# KiCad board IMXDesign.kicad_pcb (continued)
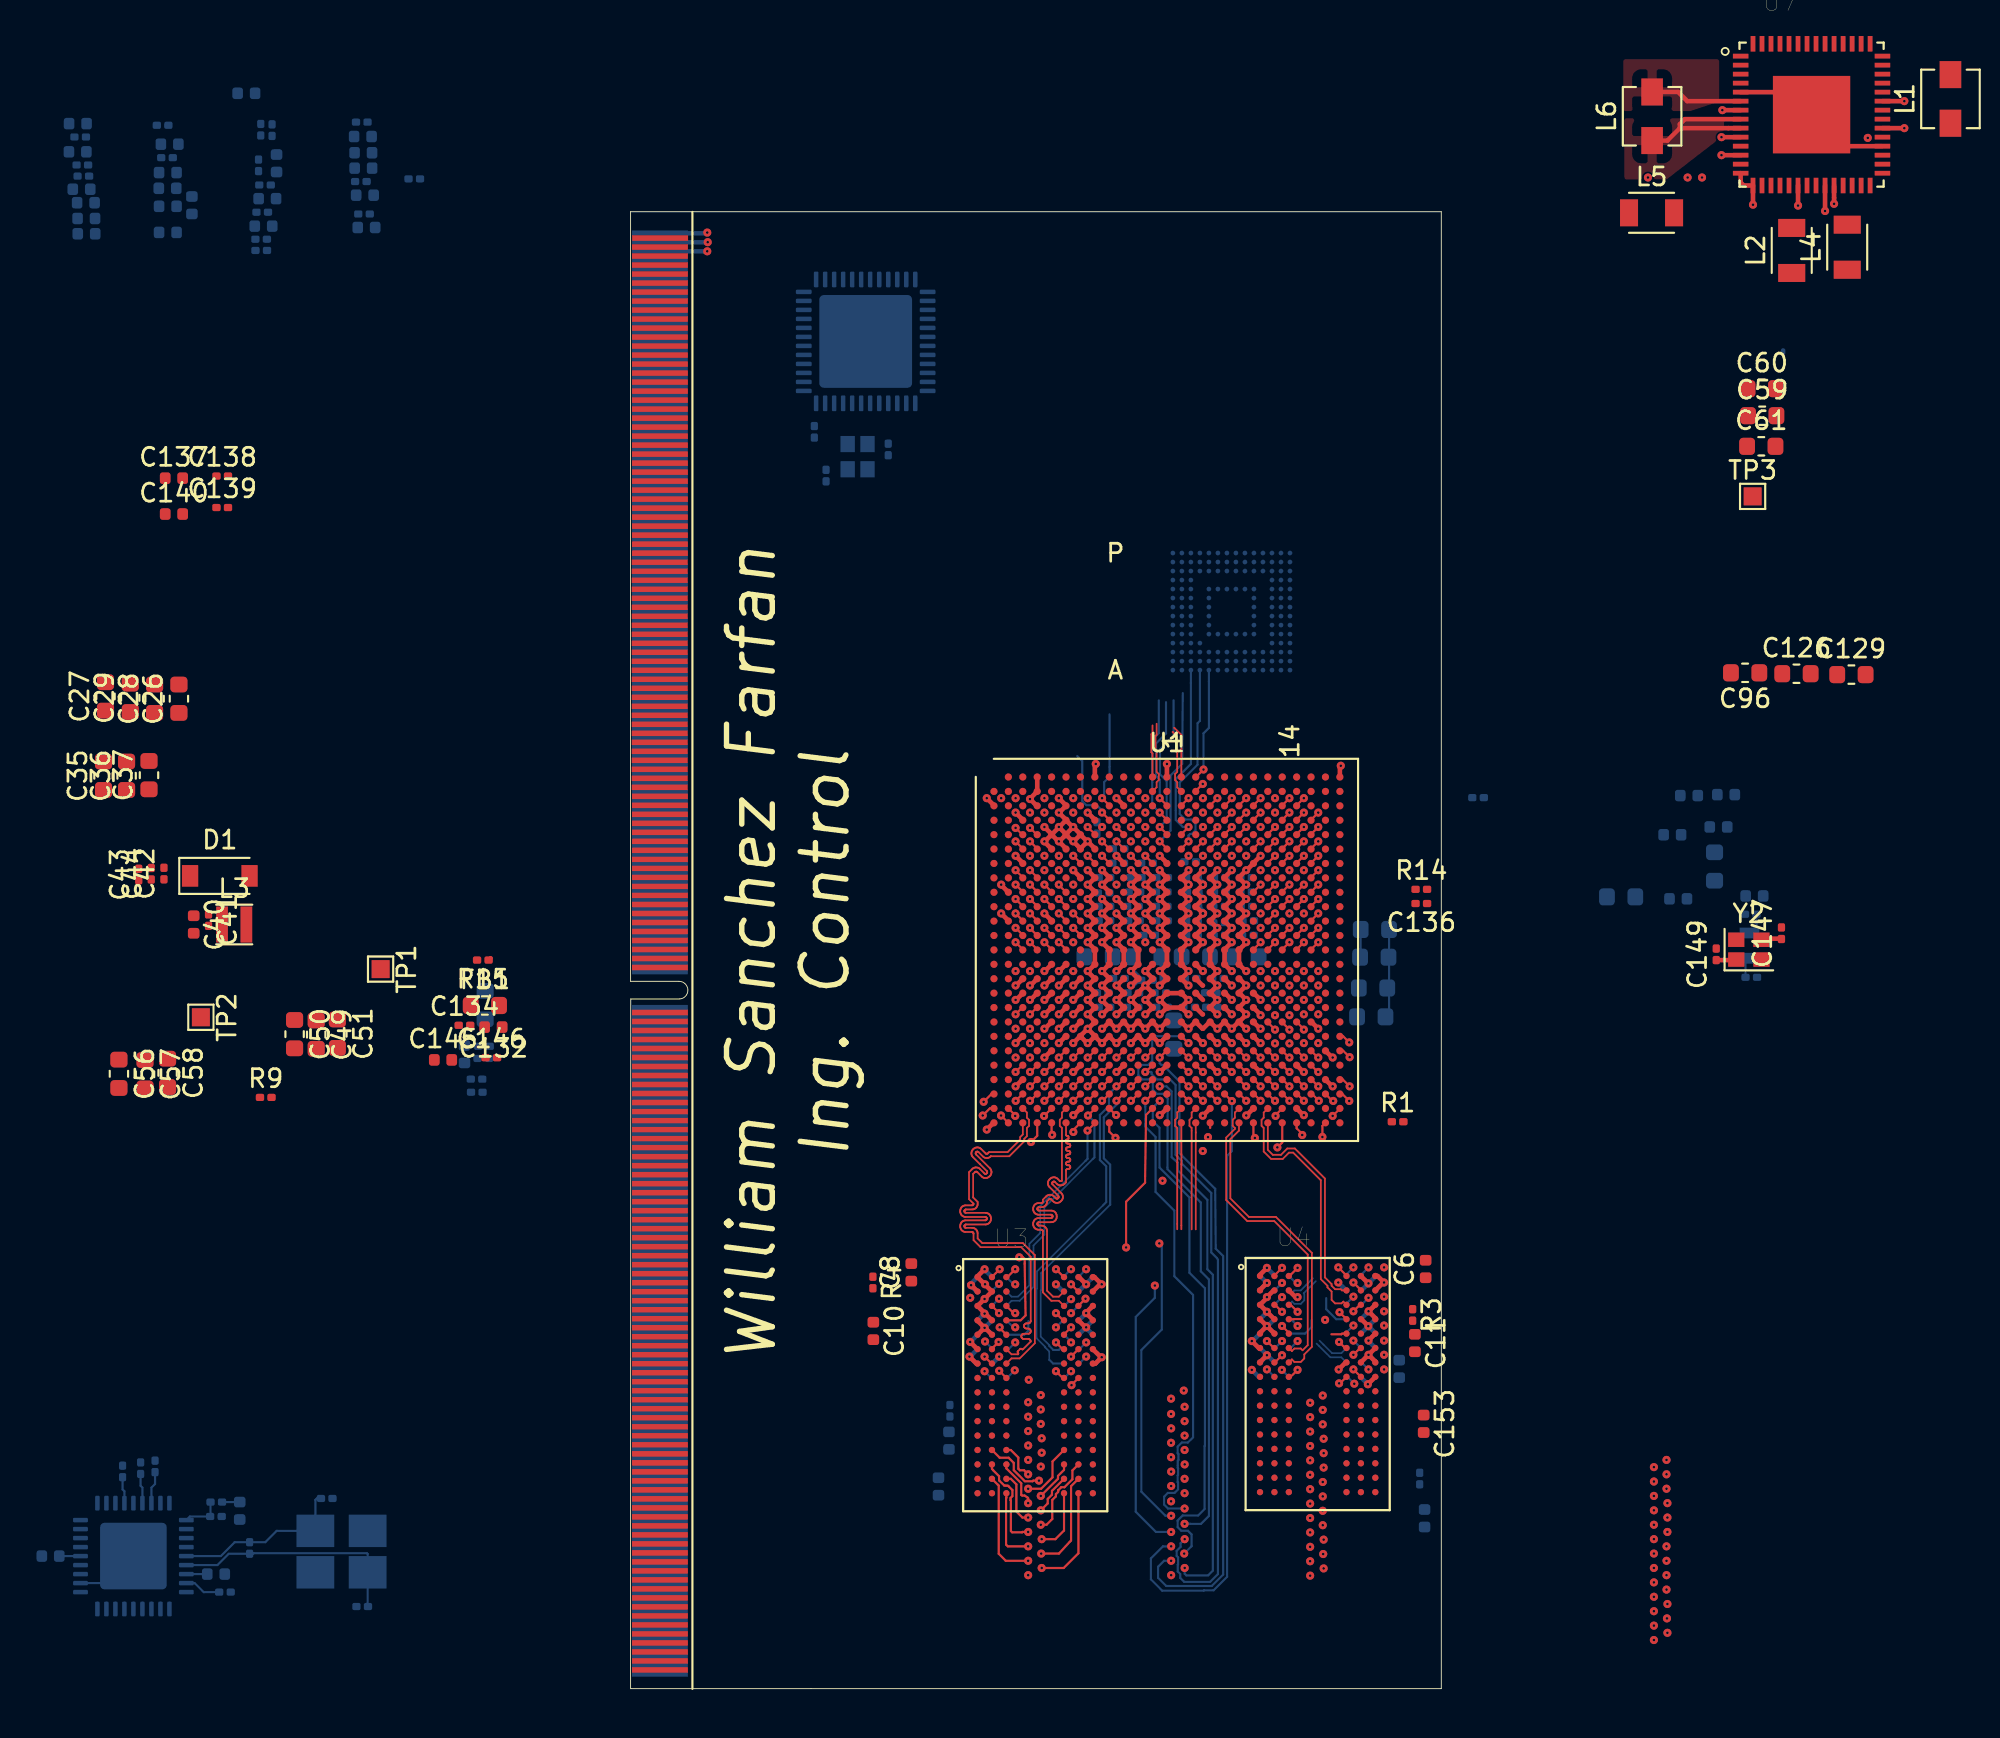
[diagram p0: board, top side]
## Routing (per net, layer and track width the routed paths; a pad name or vN(x,y) marks a point on that pad's centre or on a via; arc(x,y) is an arc through that point) (continued)
/DDR3_Memory/CPU_DDR3/DRAM_DQM0: length 26.9
  Top w0.114: U3.E7 24.06,19.67 v1(24.45,20.06)
  Top w0.119: U1.AC3 21.76,33.01 v1(21.38,32.63) ; U3.E7 24.02,19.65
  In1.Cu w0.114: 22.32,16.93 v1(22.1,17.15)
  In1.Cu w0.119: 22.32,16.93 22.69,16.93 23.12,16.49 24.67,16.49 24.86,16.68 24.86,19.65 v1(24.45,20.06) ; v1(18.85,21.7) 18.52,22.03 18.52,22.58 18.67,22.74 18.67,23 19.99,24.32 19.99,29.4 20.97,30.38 20.97,32.23 v1(21.38,32.63)
  In2.Cu w0.114: v1(18.85,21.7) 18.85,19.8 19.29,19.36 19.29,19.07 19.49,18.87 19.86,18.87 20.08,18.65 20.08,18.25 20.28,18.05 20.62,18.05 20.84,17.83 20.84,17.59 21.28,17.15 v1(22.1,17.15)
/DDR3_Memory/CPU_DDR3/DRAM_DQM1: length 16.6
  Top w0.119: U3.D3 21.65,20.45 21.92,20.72 21.88,23.6 21.88,23.85 21.78,23.95 v1(21.58,23.95) ; U1.AC6 23.8,32.64 v1(23.77,32.64)
  In2.Cu w0.119: v1(21.58,23.95) 21.3,24.22 21.3,29.16 21.45,29.31 21.45,30.57 21.76,30.88 21.76,32.8 21.99,33.02 23.15,33.02 23.54,32.64 v1(23.77,32.64)
/DDR3_Memory/CPU_DDR3/DRAM_DQM2: length 18.1
  Top w0.119: v1(25.37,33.44) 25.39,33.44 U1.AB8
  In1.Cu w0.119: 23.6,24.1 23.23,23.73 23.23,21.97 23.7,21.5 24,21.5 24.27,21.23 24.63,21.23 24.83,21.03 24.83,20.65 24.63,20.45 24,20.45 v1(23.61,20.06) ; 23.6,24.1 23.73,24.23 23.73,28.08 26.05,30.4 26.05,32.04 25.79,32.3 25.79,33.02 v1(25.37,33.44) ; 23.6,24.1 23.5,24
  Bottom w0.119: U2.D3 24,20.45 v1(23.61,20.06)
/DDR3_Memory/CPU_DDR3/DRAM_DQM3: length 1.8
  Bottom w0.119: U2.E7 21.85,19.65 22.08,19.88 22.08,20.4
/DDR3_Memory/CPU_DDR3/DRAM_DQM4: length 1.4
  Top w0.114: 38.9,19.68 39.45,19.68 39.49,19.71 U4.E7
  Top w0.119: v1(34.17,33.44) 34.14,33.44 U1.AB18
/DDR3_Memory/CPU_DDR3/DRAM_DQM5: length 1.3
  Top w0.114: 37.23,20.52 36.84,20.52 36.83,20.51 U4.D3
  Top w0.119: v1(35.77,32.64) 35.75,32.64 U1.AC20
/DDR3_Memory/CPU_DDR3/DRAM_DQM6: length 2
  Bottom w0.119: U5.D3 39.17,20.51 38.61,21.07 38.61,21.68
/DDR3_Memory/CPU_DDR3/DRAM_DQM7: length 2.4
  Top w0.119: U1.Y21 36.55,35.04 v1(36.57,35.04)
  Bottom w0.119: 37.8,20.46 37.8,20.08 37.43,19.71 U5.E7
/DDR3_Memory/CPU_DDR3/DRAM_RAS_B: length 29
  Top w0.119: U1.AB15 31.75,33.44 v1(31.77,33.44)
  In1.Cu w0.114: v1(31.77,33.44) 31.77,33.36 32.15,32.98 32.15,31.64 31.94,31.43 31.47,31.43 30.96,30.92 30.95,30.92 30.88,30.85 30.88,29.65 30.51,29.28 30.51,28.68
  In1.Cu w0.119: v1(30,16.1) 30,16.42 30.52,16.93 30.89,16.93 31.94,15.88 31.94,14.82 32.86,13.9 33.26,13.9 33.59,14.23 33.59,14.97 30.36,18.2 30.36,25.05 29.67,25.74 29.67,26.85 30.51,27.69 30.51,28.68
/DDR3_Memory/CPU_DDR3/DRAM_RESET: length 0.6
  Top w0.114: U1.Y6 24.16,35.41
  Top w0.119: v1(23.77,35.04) 24.14,35.41 U1.Y6
/DDR3_Memory/CPU_DDR3/DRAM_SDBA0: length 29
  Top w0.119: U1.AC15 31.75,32.64 v1(31.77,32.64)
  In1.Cu w0.114: 31.24,31.58 31.24,31.51 30.67,30.94 30.67,29.74 30.29,29.36 30.29,29.21
  In1.Cu w0.119: 30.29,29.21 30.29,27.78 29.25,26.74 29.25,25.52 29.73,25.04 29.73,22.44 29,21.71 29,15.06 29.2,14.87 30.16,14.87 30.39,14.63 30.39,14.27 30.31,14.19 30.31,13.85 30.49,13.67 30.9,13.67 32.37,12.2 32.37,11.63 32.2,11.46 32.07,11.46 31.81,11.72 31.81,11.96 30.94,12.83 30.6,12.83 30.22,13.21 30.22,13.43 v1(30,13.65) ; 31.24,31.58 31.23,31.85 31.77,32.39 v1(31.77,32.64)
/DDR3_Memory/CPU_DDR3/DRAM_SDBA1: length 32.5
  Top w0.119: 31.77,35.04 31.75,35.04 U1.Y15
  In1.Cu w0.114: 31.75,35.01 v1(31.77,35.01) 31.39,34.63 31.39,34.06 31.19,33.86 30.52,33.86 30.02,33.36 30.02,31.53 29.69,31.2 29.69,30.43 29.13,29.87 27.35,28.06 27.35,25.93 27.04,25.62 27.04,21.37 27.37,21.04 27.37,12.06 28.4,11.03 28.8,11.03 29.04,10.79 30.18,10.79 30.5,10.47 30.93,10.47 31.13,10.67 31.13,12.07 v1(30.75,12.45)
/DDR3_Memory/CPU_DDR3/DRAM_SDBA2: length 0.6
  Top w0.119: U1.AB12 28.59,33.44 v1(28.57,33.44)
/DDR3_Memory/CPU_DDR3/DRAM_SDCKE0: length 0.6
  Top w0.119: U1.Y11 27.8,35.04 v1(27.77,35.04)
/DDR3_Memory/CPU_DDR3/DRAM_SDCLK_0+: length 6.9
  Top w0.094: U1.AD15 31.14,31.99 31.14,31.7 31.02,31.58 31.02,31.25 31.14,31.13 31.14,25.5
/DDR3_Memory/CPU_DDR3/DRAM_SDCLK_0-: length 5.9
  Top w0.094: U1.AE15 31.37,25.5
/DDR3_Memory/CPU_DDR3/DRAM_SDCLK_1+: length 6.9
  Top w0.094: U1.AD14 30.34,31.99 30.34,31.7 30.22,31.58 30.22,31.25 30.34,31.13 30.34,29.58 30.35,29.58 30.35,29.22 30.34,29.22 30.34,25.51
  vias: v1(22.07,15.1)
/DDR3_Memory/CPU_DDR3/DRAM_SDCLK_1-: length 5.9
  Top w0.094: 30.57,25.51 30.57,29.12 30.58,29.13 30.58,29.67 30.57,29.68 U1.AE14
/DDR3_Memory/CPU_DDR3/DRAM_SDODT0: length 27
  Top w0.119: v1(32.57,32.64) 32.55,32.64 U1.AC16
  In1.Cu w0.114: 32.57,31.97 32.57,31.75 32.03,31.21 31.62,31.21 31.1,30.69 31.1,29.57 30.87,29.34 30.87,29.18
  In1.Cu w0.119: 30.87,29.18 30.87,27.74 30.7,27.57 30.7,18.17 34.07,14.8 34.07,13.83 33.83,13.59 32.71,13.59 31.67,14.63 31.67,15.58 v1(30.7,16.55) ; v1(32.57,32.64) 32.57,31.97
/DDR3_Memory/CPU_DDR3/DRAM_SDQS0+: length 26.1
  Top w0.094: U1.AE3 21.77,30.77 21.62,30.62 21.62,30.49 20.93,29.79 19.9,29.79 19.84,29.72 19.82,29.71 19.8,29.7 19.78,29.7 19.76,29.7 19.74,29.7 19.72,29.71 19.7,29.72 19.46,29.96 19.41,30.01 19.35,30.04 19.28,30.05 19.21,30.05 19.15,30.04 19.09,30.01 19.03,29.96 19.01,29.94 18.96,29.88 18.93,29.82 18.92,29.76 18.92,29.69 18.93,29.62 18.96,29.56 19.01,29.51 19.77,28.74 19.78,28.73 19.79,28.71 19.8,28.69 19.8,28.67 19.79,28.65 19.78,28.63 19.77,28.61 19.75,28.6 19.73,28.59 19.71,28.58 19.69,28.58 19.67,28.59 19.65,28.6 19.64,28.61 19.4,28.85 19.34,28.89 19.28,28.92 19.21,28.94 19.15,28.94 19.08,28.92 19.02,28.89 18.97,28.85 18.79,28.67 18.79,27.18 19.04,26.93 19.03,26.91 19.03,26.89 19.02,26.87 19,26.85 18.98,26.84 18.96,26.84 18.94,26.83 18.6,26.83 18.53,26.83 18.47,26.8 18.41,26.77 18.36,26.72 18.33,26.66 18.3,26.6 18.3,26.53 18.3,26.49 18.3,26.42 18.33,26.36 18.36,26.3 18.41,26.25 18.47,26.22 18.53,26.2 18.6,26.19 19.68,26.19 19.7,26.19 19.72,26.18 19.74,26.17 19.75,26.15 19.77,26.14 19.77,26.12 19.77,26.09 19.77,26.07 19.77,26.05 19.75,26.04 19.74,26.02 19.72,26.01 19.7,26 19.68,26 18.6,26 18.53,25.99 18.47,25.97 18.41,25.93 18.36,25.89 18.33,25.83 18.3,25.76 18.3,25.7 18.3,25.66 18.3,25.59 18.33,25.53 18.36,25.47 18.41,25.42 18.47,25.39 18.53,25.36 18.6,25.36 18.94,25.36 18.96,25.35 18.98,25.35 19,25.33 19.02,25.32 19.03,25.3 19.03,25.28 19.04,25.26 19.04,24.9 19.43,24.51 21.68,24.51 22.21,23.98 22.21,20.42 22.21,20.39 22.2,20.36 22.18,20.33 22.16,20.31 22.13,20.29 22.1,20.28 22.07,20.28 21.98,20.28 21.95,20.28 21.92,20.27 21.89,20.25 21.87,20.23 21.85,20.2 21.84,20.17 21.84,20.14 21.84,20.1 21.85,20.07 21.87,20.05 21.89,20.02 21.92,20.01 21.95,20 21.98,19.99 22.07,19.99 22.1,19.99 22.13,19.98 22.16,19.96 22.18,19.94 22.2,19.91 22.21,19.88 22.21,19.85 22.21,19.82 22.2,19.79 22.18,19.76 22.16,19.74 22.13,19.72 22.1,19.71 22.07,19.7 21.83,19.7 21.8,19.7 21.77,19.69 21.74,19.67 21.72,19.65 21.7,19.62 21.69,19.59 21.69,19.56 21.69,19.53 21.7,19.5 21.72,19.47 21.74,19.45 21.77,19.43 21.8,19.42 21.83,19.42 22.07,19.42 22.1,19.41 22.13,19.4 22.16,19.38 22.18,19.36 22.2,19.33 22.21,19.3 22.21,19.27 21.79,18.86 21.78,18.85 21.77,18.84 21.76,18.84 21.74,18.84 21.73,18.84 21.72,18.85 21.7,18.86 21.68,18.87 21.67,18.87 21.66,18.87 21.64,18.87 21.63,18.86 21.62,18.86 21.5,18.74 21.49,18.73 21.49,18.72 21.48,18.7 21.48,18.69 21.49,18.67 21.49,18.66 21.51,18.64 21.52,18.63 21.52,18.61 21.52,18.6 21.52,18.59 21.51,18.57 21.5,18.56 21.14,18.56 U3.F3
/DDR3_Memory/CPU_DDR3/DRAM_SDQS0-: length 26
  Top w0.094: U3.G3 21.14,18.34 21.6,18.34 22.44,19.18 22.44,24.07 21.77,24.74 19.52,24.74 19.26,25 19.26,25.28 19.26,25.35 19.23,25.41 19.2,25.47 19.15,25.52 19.09,25.55 19.03,25.58 18.96,25.58 18.62,25.58 18.6,25.59 18.58,25.59 18.56,25.6 18.55,25.62 18.53,25.64 18.53,25.66 18.53,25.68 18.53,25.7 18.53,25.72 18.55,25.74 18.56,25.75 18.58,25.76 18.6,25.77 18.62,25.77 19.7,25.77 19.77,25.78 19.83,25.8 19.89,25.84 19.94,25.89 19.97,25.94 20,26.01 20,26.08 20,26.11 20,26.18 19.97,26.25 19.94,26.3 19.89,26.35 19.83,26.39 19.77,26.41 19.7,26.42 18.62,26.42 18.6,26.42 18.58,26.43 18.56,26.44 18.55,26.45 18.53,26.47 18.53,26.49 18.53,26.51 18.53,26.53 18.53,26.55 18.55,26.57 18.56,26.58 18.58,26.6 18.6,26.6 18.62,26.61 18.96,26.61 19.03,26.61 19.09,26.64 19.15,26.67 19.2,26.72 19.23,26.78 19.26,26.84 19.26,26.91 19.26,27.02 19.01,27.27 19.01,28.58 19.11,28.68 19.13,28.69 19.15,28.7 19.17,28.7 19.19,28.7 19.21,28.7 19.23,28.69 19.25,28.68 19.49,28.44 19.54,28.39 19.6,28.36 19.67,28.35 19.74,28.35 19.8,28.36 19.86,28.39 19.92,28.44 19.94,28.46 19.99,28.52 20.02,28.58 20.03,28.64 20.03,28.71 20.02,28.78 19.99,28.84 19.94,28.89 19.18,29.66 19.17,29.67 19.16,29.69 19.15,29.71 19.15,29.73 19.16,29.75 19.17,29.77 19.18,29.79 19.2,29.8 19.22,29.81 19.24,29.82 19.26,29.82 19.28,29.81 19.3,29.8 19.31,29.79 19.55,29.55 19.61,29.51 19.67,29.48 19.74,29.46 19.8,29.46 19.87,29.48 19.93,29.51 19.98,29.55 20,29.56 21.02,29.56 21.85,30.39 21.85,30.53 22,30.67 22,31.13 22.12,31.25 22.12,31.58 22,31.7 22,31.99 U1.AD3
/DDR3_Memory/CPU_DDR3/DRAM_SDQS1+: length 16.5
  Top w0.094: U3.C7 23.77,21.54 23.35,21.54 22.89,22 22.89,25.39 22.88,25.41 22.88,25.43 22.87,25.45 22.85,25.46 22.83,25.47 22.81,25.48 22.79,25.48 22.65,25.48 22.58,25.49 22.52,25.51 22.46,25.55 22.41,25.59 22.38,25.65 22.35,25.72 22.35,25.78 22.35,25.82 22.35,25.89 22.38,25.95 22.41,26.01 22.46,26.06 22.52,26.1 22.58,26.12 22.65,26.13 23.33,26.13 23.35,26.13 23.37,26.13 23.39,26.15 23.4,26.16 23.42,26.18 23.42,26.2 23.42,26.22 23.42,26.24 23.42,26.26 23.4,26.28 23.39,26.29 23.37,26.3 23.35,26.31 23.33,26.31 22.65,26.31 22.58,26.32 22.52,26.34 22.46,26.38 22.41,26.43 22.38,26.49 22.35,26.55 22.35,26.62 22.35,26.65 22.35,26.72 22.38,26.79 22.41,26.84 22.46,26.89 22.52,26.93 22.58,26.95 22.65,26.96 22.79,26.96 22.81,26.96 22.83,26.97 22.85,26.98 22.87,26.99 22.88,27.01 22.88,27.03 22.89,27.05 22.89,27.15 23.07,27.33 23.12,27.38 23.19,27.4 23.25,27.42 23.32,27.42 23.39,27.4 23.45,27.38 23.5,27.33 23.6,27.23 23.62,27.22 23.64,27.21 23.66,27.21 23.68,27.21 23.7,27.21 23.72,27.22 23.73,27.23 23.75,27.25 23.76,27.27 23.76,27.29 23.76,27.31 23.76,27.33 23.75,27.35 23.73,27.37 23.25,27.85 23.21,27.9 23.18,27.96 23.17,28.03 23.17,28.1 23.18,28.16 23.21,28.22 23.25,28.28 23.28,28.3 23.33,28.35 23.39,28.37 23.46,28.39 23.53,28.39 23.59,28.37 23.66,28.35 23.71,28.3 23.81,28.2 23.82,28.19 23.84,28.18 23.86,28.18 23.89,28.18 23.91,28.18 23.92,28.19 23.94,28.2 23.94,31.13 23.82,31.25 23.82,31.58 23.94,31.7 23.94,31.99 U1.AD6
/DDR3_Memory/CPU_DDR3/DRAM_SDQS1-: length 16.5
  Top w0.094: U3.B7 23.77,21.76 23.45,21.76 23.11,22.1 23.11,25.41 23.11,25.47 23.08,25.54 23.05,25.59 23,25.64 22.94,25.68 22.88,25.7 22.81,25.71 22.67,25.71 22.65,25.71 22.63,25.72 22.61,25.73 22.6,25.74 22.58,25.76 22.58,25.78 22.58,25.8 22.58,25.82 22.58,25.84 22.6,25.86 22.61,25.88 22.63,25.89 22.65,25.89 22.67,25.9 23.35,25.9 23.42,25.9 23.48,25.93 23.54,25.96 23.59,26.01 23.62,26.07 23.65,26.13 23.65,26.2 23.65,26.24 23.65,26.31 23.62,26.37 23.59,26.43 23.54,26.48 23.48,26.51 23.42,26.53 23.35,26.54 22.67,26.54 22.65,26.54 22.63,26.55 22.61,26.56 22.6,26.58 22.58,26.6 22.58,26.62 22.58,26.64 22.58,26.66 22.58,26.68 22.6,26.69 22.61,26.71 22.63,26.72 22.65,26.73 22.67,26.73 22.81,26.73 22.88,26.74 22.94,26.76 23,26.8 23.05,26.84 23.08,26.9 23.11,26.97 23.11,27.03 23.11,27.05 23.22,27.16 23.24,27.17 23.25,27.18 23.28,27.18 23.3,27.18 23.32,27.18 23.34,27.17 23.35,27.16 23.45,27.06 23.51,27.02 23.57,26.99 23.63,26.97 23.7,26.97 23.77,26.99 23.83,27.02 23.88,27.06 23.91,27.08 23.95,27.14 23.98,27.2 24,27.27 24,27.33 23.98,27.4 23.95,27.46 23.91,27.51 23.43,27.99 23.41,28.01 23.41,28.03 23.4,28.05 23.4,28.07 23.41,28.09 23.41,28.11 23.43,28.13 23.44,28.14 23.46,28.15 23.48,28.15 23.5,28.15 23.53,28.15 23.54,28.14 23.56,28.13 23.66,28.03 23.71,27.99 23.77,27.96 23.84,27.94 23.91,27.94 23.98,27.96 24.04,27.99 24.09,28.03 24.17,28.11 24.17,28.76 24.17,28.78 24.18,28.8 24.19,28.82 24.21,28.84 24.23,28.85 24.25,28.86 24.27,28.86 24.31,28.86 24.33,28.86 24.35,28.87 24.37,28.88 24.39,28.9 24.4,28.92 24.41,28.94 24.41,28.96 24.41,28.98 24.4,29 24.39,29.02 24.37,29.04 24.35,29.05 24.33,29.06 24.31,29.06 24.27,29.06 24.25,29.06 24.23,29.07 24.21,29.08 24.19,29.1 24.18,29.12 24.17,29.14 24.17,29.16 24.17,29.18 24.18,29.2 24.19,29.22 24.21,29.24 24.23,29.25 24.25,29.26 24.27,29.26 24.31,29.26 24.33,29.26 24.35,29.27 24.37,29.28 24.39,29.3 24.4,29.32 24.41,29.34 24.41,29.36 24.41,29.38 24.4,29.4 24.39,29.42 24.37,29.44 24.35,29.45 24.33,29.46 24.31,29.46 24.27,29.46 24.25,29.46 24.23,29.47 24.21,29.48 24.19,29.5 24.18,29.52 24.17,29.54 24.17,29.56 24.17,29.58 24.18,29.6 24.19,29.62 24.21,29.64 24.23,29.65 24.25,29.66 24.27,29.66 24.31,29.66 24.33,29.66 24.35,29.67 24.37,29.68 24.39,29.7 24.4,29.72 24.41,29.74 24.41,29.76 24.41,29.78 24.4,29.8 24.39,29.82 24.37,29.84 24.35,29.85 24.33,29.86 24.31,29.86 24.27,29.86 24.25,29.86 24.23,29.87 24.21,29.88 24.19,29.9 24.18,29.92 24.17,29.94 24.17,29.96 24.17,29.98 24.18,30 24.19,30.02 24.21,30.04 24.23,30.05 24.25,30.06 24.27,30.06 24.31,30.06 24.33,30.06 24.35,30.07 24.37,30.08 24.39,30.1 24.4,30.12 24.41,30.14 24.41,30.16 24.41,30.18 24.4,30.2 24.39,30.22 24.37,30.24 24.35,30.25 24.33,30.26 24.31,30.26 24.27,30.26 24.25,30.26 24.23,30.27 24.21,30.28 24.19,30.3 24.18,30.32 24.17,30.34 24.17,30.36 24.17,30.42 24.17,30.44 24.18,30.45 24.19,30.46 24.2,30.48 24.21,30.48 24.22,30.49 24.25,30.49 24.27,30.5 24.28,30.51 24.29,30.52 24.3,30.53 24.31,30.54 24.31,30.56 24.31,30.62 24.31,30.64 24.3,30.65 24.29,30.66 24.28,30.68 24.27,30.68 24.25,30.69 24.22,30.69 24.21,30.7 24.2,30.71 24.19,30.72 24.18,30.73 24.17,30.74 24.17,30.76 U1.AE6
/DDR3_Memory/CPU_DDR3/DRAM_SDQS2+: length 13.6
  Top w0.114: U1.AD8 25.77,32.2 v1(25.39,31.82)
  Bottom w0.094: U2.C7 21.15,21.54 21.6,21.54 22.36,22.3 22.36,24.6 22.96,25.2 22.96,26.7 25.65,29.4
  Bottom w0.119: 25.65,29.4 25.75,29.5 25.75,31.46 v1(25.39,31.82)
/DDR3_Memory/CPU_DDR3/DRAM_SDQS2-: length 12.2
  Top w0.114: U1.AE8 25.77,31.39 v1(25.36,30.98)
  Bottom w0.094: 25.25,29.3 22.74,26.8 22.74,25.3 22.14,24.7 22.14,22.4 21.5,21.76 21.15,21.76 U2.B7
  Bottom w0.119: 25.25,29.3 25.36,29.41 v1(25.36,30.98)
/DDR3_Memory/CPU_DDR3/DRAM_SDQS3+: length 17.3
  Top w0.119: U1.AC10 27.34,33.01 v1(26.97,32.64)
  Bottom w0.094: 23.24,19.07 22.76,19.55 22.76,22.11 22.79,22.13 22.79,23.08 26.6,26.85
  Bottom w0.114: U2.F3 23.81,18.85 23.77,18.81 23.46,18.81 23.24,19.03 23.24,19.07
  Bottom w0.119: 26.6,26.85 26.62,26.87 26.62,29.09 26.27,29.44 26.27,31.72 26.97,32.42 v1(26.97,32.64)
/DDR3_Memory/CPU_DDR3/DRAM_SDQS3-: length 19
  Top w0.119: 27,33.44 U1.AB10
  Bottom w0.094: 26.22,26.83 22.56,23.17 22.56,22.22 22.54,22.2 22.54,19.45 23.01,18.98 23.01,18.95 23.24,18.72 23.24,18.26 23.25,18.25
  Bottom w0.114: 23.25,18.25 23.45,18.05 U2.G3
  Bottom w0.119: 26.22,26.83 26.4,27.01 26.4,29 26.05,29.35 26.05,31.85 26.55,32.35 26.55,33.02 v1(26.97,33.44)
/DDR3_Memory/CPU_DDR3/DRAM_SDQS4+: length 17.6
  Top w0.094: U4.F3 36.7,18.74 36.84,18.88 37.2,18.88 37.3,18.79 37.59,19.07 37.59,24.1 35.73,25.96 34.23,25.96 33.06,27.13 33.06,30.6 33.54,31.08 33.54,31.13 33.42,31.25 33.42,31.58 33.54,31.7 33.54,31.99 U1.AD18
/DDR3_Memory/CPU_DDR3/DRAM_SDQS4-: length 17.3
  Top w0.094: U1.AE18 33.77,30.98 33.29,30.5 33.29,27.22 34.32,26.19 35.82,26.19 37.81,24.2 37.81,18.98 37.39,18.56 37.39,18.33 37.2,18.14 36.84,18.14 36.7,18.28 U4.G3
/DDR3_Memory/CPU_DDR3/DRAM_SDQS5+: length 14.6
  Top w0.094: U1.AD20 35.14,31.99 35.14,31.7 35.02,31.58 35.02,31.25 35.14,31.13 35.14,29.82 35.55,29.41 36.2,29.41 36.55,29.76 36.78,29.76 38.31,28.23 38.31,22.74 38.68,22.37 38.68,22.28 38.91,22.05 38.91,21.58 39.1,21.39 39.46,21.39 39.56,21.49 U4.C7
/DDR3_Memory/CPU_DDR3/DRAM_SDQS5-: length 12.7
  Top w0.094: U4.B7 39.48,22.11 39.42,22.18 39.1,22.18 38.91,22.37 38.91,22.46 38.54,22.83 38.54,28.32 36.87,29.99 36.45,29.99 36.1,29.64 35.65,29.64 35.37,29.92 U1.AE20
/DDR3_Memory/CPU_DDR3/DRAM_SDQS6+: length 2.4
  Bottom w0.094: 38.04,22.62 37.36,21.95 37.39,21.92 37.39,21.56 37.2,21.37 36.84,21.37 36.72,21.49 U5.C7
/DDR3_Memory/CPU_DDR3/DRAM_SDQS6-: length 1.7
  Bottom w0.094: U5.B7 36.69,21.96 36.84,22.11 37.2,22.11 37.87,22.79
/DDR3_Memory/CPU_DDR3/DRAM_SDQS7+: length 1.9
  Bottom w0.094: U5.F3 39.45,18.63 38.94,18.63 38.24,19.32
/DDR3_Memory/CPU_DDR3/DRAM_SDQS7-: length 2.1
  Bottom w0.094: U5.G3 39.45,18.4 38.84,18.4 38.08,19.16
/DDR3_Memory/MEM_DDR3/DRAM_SDWE_B: length 29.5
  Top w0.119: v1(32.57,33.44) 32.55,33.44 U1.AB16
  In1.Cu w0.114: v1(32.05,30.62) 32.05,30.3 32.16,30.19 32.16,29.34 31.54,28.72 31.54,28.35 31.56,27.94 31.75,27.75 31.75,27.06 31.38,26.69 31.38,26.42
  In1.Cu w0.119: 32.57,33.44 v1(32.57,33.44) 32.64,33.44 ; 31.38,26.42 31.38,20.18 31.44,20.12 31.44,18.51 35.13,14.82 35.22,14.82 35.22,12.97 35,12.75 32.37,12.75 31.07,14.05 v1(30.75,14.05)
  In2.Cu w0.114: v1(32.05,30.62) 31.38,31.29 31.38,32.81 31.63,33.06 32.12,33.06 32.5,33.44 v1(32.57,33.44)
/ETHERNET_USB/ENET_REF_CLK: length 0.6
  Top w0.119: v1(37.37,36.59) 37.37,36.62 U1.V22
/ETHERNET_USB/RGMII_INT: length 0.6
  Top w0.119: U1.V21 36.17,36.99 v1(36.57,36.59)
/ETHERNET_USB/RGMII_MDC: length 0.6
  Top w0.119: U1.V20 35.37,36.99 v1(35.77,36.59)
/ETHERNET_USB/RGMII_MDIO: length 0.6
  Top w0.25: U1.V23 37.8,37.01 v1(38.17,36.64)
/ETHERNET_USB/RGMII_RD0: length 0
  Top w0.119: U1.C24 38.57,49.04
/ETHERNET_USB/RGMII_RD2: length 0
  Top w0.25: U1.B24 38.57,49.84
/ETHERNET_USB/RGMII_RD3: length 0.6
  Top w0.119: v1(38.17,48.64) 37.77,48.24 U1.D23
/ETHERNET_USB/RGMII_RSTn_R: length 0
  Top w0.119: U1.U21 36.17,37.84
  vias: v1(35.77,38.24)
/ETHERNET_USB/USB1_HUB_N: length 0.6
  Top w0.119: v1(26.97,47.04) 27.37,46.64 U1.F10
/ETHERNET_USB/USB1_HUB_P: length 0.6
  Top w0.119: v1(26.97,47.84) 27.37,47.44 U1.E10
/SDx_INTERFACE/SD#/SD_D0: length 10.1
  Top w0.119: v1(30.97,47.84) 30.57,47.44 U1.E14
  Bottom w0.119: v1(30.97,47.84) 30.65,47.84 30.26,48.23 30.26,48.76 30.26,50.5 31.1,51.34 U6.A3
/SDx_INTERFACE/SD#/SD_D1: length 11.3
  Top w0.119: U1.F14 30.57,46.64 v1(30.97,47.04)
  Bottom w0.119: U6.A4 31.6,53.73 31.47,53.6 31.47,51.3 30.48,50.31 30.48,48.56 30.79,48.26 31.12,48.26 31.35,48.02 31.35,47.66 31.15,47.46 31.06,47.46 30.98,47.38 30.98,47.37 30.97,47.36 v1(30.97,47.04)
/SDx_INTERFACE/SD#/SD_D2: length 6.2
  Top w0.119: U1.A15 31.39,50.61 v1(31.8,51.03)
  Bottom w0.119: U6.A5 32.1,53.34 31.8,53.04 v1(31.8,51.03)
/SDx_INTERFACE/SD#/SD_D3: length 0.6
  Top w0.119: v1(31.76,50.23) 31.37,49.84 U1.B15
/SDx_INTERFACE/SD#/SD_D4: length 7.2
  Top w0.119: v1(29.37,48.64) 29.77,48.24 U1.D13
  Bottom w0.119: 29.32,54.87 29.32,53.05 28.95,52.68 28.95,50.58 28.95,50.57 28.95,49.06 v1(29.37,48.64)
/SDx_INTERFACE/SD#/SD_D5: length 6.2
  Top w0.119: v1(29.37,49.44) 29.77,49.04 U1.C13
  Bottom w0.119: v1(29.37,49.44) 29.37,50.47 29.17,50.67 29.17,52.48 29.72,53.03 29.72,54.77
/SDx_INTERFACE/SD#/SD_D6: length 8.3
  Top w0.119: U1.E13 29.77,47.44 v1(29.37,47.84)
  Bottom w0.119: 30.14,54.87 30.14,52.9 29.39,52.15 29.39,50.76 29.75,50.4 29.75,48.22 v1(29.37,47.84) 29.37,47.77
/SDx_INTERFACE/SD#/SD_D7: length 9.3
  Top w0.119: v1(29.37,47.04) 29.77,46.64 U1.F13
  Bottom w0.119: 30.65,55.27 30.62,51.73 30.62,51.35 29.97,50.7 29.97,47.64 v1(29.37,47.04)
SYS_4V2: length 17.1
  Top w0.25: U7.34 v1(70.7,86.64) ; U7.20 v1(64.8,82.34) ; U7.12 v1(60.55,85.14) ; U7.10 v1(60.55,86.14) ; U7.24 v1(66.8,82.44) ; U7.7 v1(60.6,87.64) ; U7.23 v1(66.3,82.04) ; U7.37 v1(70.7,88.14)
  Bottom w0.25: 1.6,79.8 4.25,79.8 v1(4.26,79.8) ; 1.6,80.8 4.21,80.8 v1(4.26,80.84) ; 1.6,80.3 4.27,80.3 v1(4.28,80.31)
  vias: v1(68.67,86.1)
VGEN_+3V0: length 2.3
  Top w0.119: U1.G11 28.17,45.84 v1(27.77,46.24)
  Top w0.25: v1(26.17,45.44) 26.57,45.04 U1.H9 26.19,44.64 v1(26.17,44.64) 26.57,44.24 U1.J9
Net-(C124-Pad1): length 0.6
  Top w0.119: U1.G9 26.57,45.84 v1(26.17,46.24)
Net-(C130-Pad1): length 0.6
  Top w0.119: v1(24.57,46.24) 24.97,45.84 U1.G7
Net-(C133-Pad1): length 0.6
  Top w0.25: v1(24.57,45.44) 24.97,45.04 U1.H7
Net-(C134-Pad1): length 0.6
  Top w0.119: U1.G8 25.77,45.84 v1(25.37,46.24)
Net-(C136-Pad1): length 0.6
  Top w0.119: U1.G12 28.97,45.84 v1(28.57,46.24)
Net-(C141-Pad1): length 1.2
  Bottom w0.119: U10.34 C141.1
Net-(C142-Pad1): length 1.2
  Bottom w0.119: C142.1 U10.14
Net-(C143-Pad1): length 13.3
  Bottom w0.119: U10.33 -22.93,6.86 -22.3,7.49 R23.1 -20.94,7.49 -20.92,7.52 -14.64,7.52 -14.59,7.48 Y1.3 -14.59,4.58 C143.1
Net-(C144-Pad1): length 9.8
  Bottom w0.119: U10.32 -22.74,7.36 -21.98,8.13 R23.2 -20.28,8.13 -19.64,8.76 Y1.1 -17.5,10.48 -17.42,10.56 C144.1
Net-(C147-Pad1): length 1.2
  Top w0.25: 63.91,41.64 62.83,41.64 Y2.3
Net-(C148-Pad1): length 6.6
  Top w0.119: U1.C9 26.57,49.04 v1(26.17,49.44)
  Bottom w0.119: C148.1 62.5,42.34 Y3.2 ; 26.29,49.43 26.29,50.33 26.59,50.63 26.59,54.09
Net-(C149-Pad1): length 1.1
  Top w0.25: Y2.1 61.34,40.45 C149.1
Net-(C150-Pad1): length 5.8
  Top w0.119: U1.D9 26.57,48.24 v1(26.17,48.64)
  Bottom w0.119: Y3.1 61.89,40.33 C150.1 ; 26.29,48.63 25.87,49.05 25.3,49.05 25.07,49.28 25.07,51.5 24.8,51.77
Net-(C151-Pad1): length 0.2
  Bottom w0.119: Y4.3 13.31,69.1
Net-(C152-Pad1): length 0
  Bottom w0.119: Y4.1 12.05,67.73
Net-(D2-Pad2): length 1
  Bottom w0.119: D2.2 R17.1
Net-(L6-Pad1): length 8.9
  Top w0.25: U7.9 58.24,86.64 ; 58.24,86.64 57.55,85.95 L6.1 ; 58.24,86.64 58.24,86.86 58.52,87.14 U7.8
Net-(R12-Pad1): length 0.6
  Top w0.119: v1(30.97,49.44) 30.57,49.04 U1.C14
Net-(R15-Pad1): length 0.1
  Top w0.25: -7.78,40.56 R15.1
Net-(R17-Pad2): length 2.3
  Bottom w0.119: R18.1 -23.31,9.58 R17.2 ; R18.1 -24.46,9.56 U10.28 ; R18.1 -23.4,9.56
Net-(R19-Pad1): length 1.5
  Bottom w0.119: U10.22 -28.09,10.96 -28.2,11.06 R19.1
Net-(R20-Pad1): length 2
  Bottom w0.119: R20.1 -23.7,5.36 -24.2,5.86 U10.35
Net-(R21-Pad1): length 1.7
  Bottom w0.119: U10.24 -27.09,11.16 -27.2,11.26 R21.1
Net-(R22-Pad1): length 1.8
  Bottom w0.119: R22.1 -26.4,11.36 -26.59,11.16 U10.25
Net-(U1-PadC22): length 0.6
  Top w0.119: v1(37.37,49.44) 36.97,49.04 U1.C22
Net-(U1-PadC23): length 0
  Top w0.119: U1.C23 37.77,49.04
Net-(U1-PadD21): length 1.2
  Top w0.119: v1(36.57,48.64) 36.17,48.24 U1.D21
  In1.Cu w0.119: 26.7,55.45 26.3,55.85
Net-(U1-PadD22): length 0.6
  Top w0.119: U1.D22 36.97,48.24 v1(37.37,48.64)
Net-(U1-PadE21): length 0.6
  Top w0.119: U1.E21 36.17,47.44 v1(36.57,47.84)
Net-(U1-PadF20): length 0.6
  Top w0.119: U1.F20 35.37,46.64 v1(35.77,47.04)
Net-(U2-PadT2):
  vias: v1(22.07,6.3)

## Copper pours and planes (outline as drawn; the poured copper is in the pictures)
+1V2_VDDARM_CAP on POWER1.Cu: 29.27,32.51 26.73,32.51 26.76,38.73 29.3,38.73
+1v5_DDR on POWER1.Cu: 39.15,30.75 41.7,22.6 41.7,3.85 16.5,3.85 16.7,23 22.9,23 23.08,31.65 39.08,32
+1V375_SOC on Top: 60.42,88.12 60.42,90.47 55.1,90.47 55.1,87.59 58.82,87.59
+1V375_SOC on POWER1.Cu: 32.4,71.4 32.2,66.2 32.1,46.5 32.1,34.7 30.4,34.7 30.3,67.1 23.5,67.1 23.5,71.5
GND on GND.Cu: 44.5,0.45 0.45,0.45 0.5,81.5 44.5,81.5
GND on GND2.Cu: 44.5,0.45 0.45,0.45 0.5,81.5 44.5,81.5
SYS_4V2 on POWER1.Cu: 40.74,81.18 40.65,67.56 30.3,67.56 27.07,77.33 3.96,79.16 3.41,79.13 3.38,81.19 3.4,81.2
Net-(L6-Pad1) on Top: 57.51,83.8 60.7,86.26 60.7,87.19 55.16,87.19 55.16,83.79

## Text on the board
F.Silkscreen: William Sanchez Farfan / Ing. Control
